# Altium PCB Spektrop2_Processor_Board_V1_draft_v4.PcbDoc (part 1 of 4) (continued)
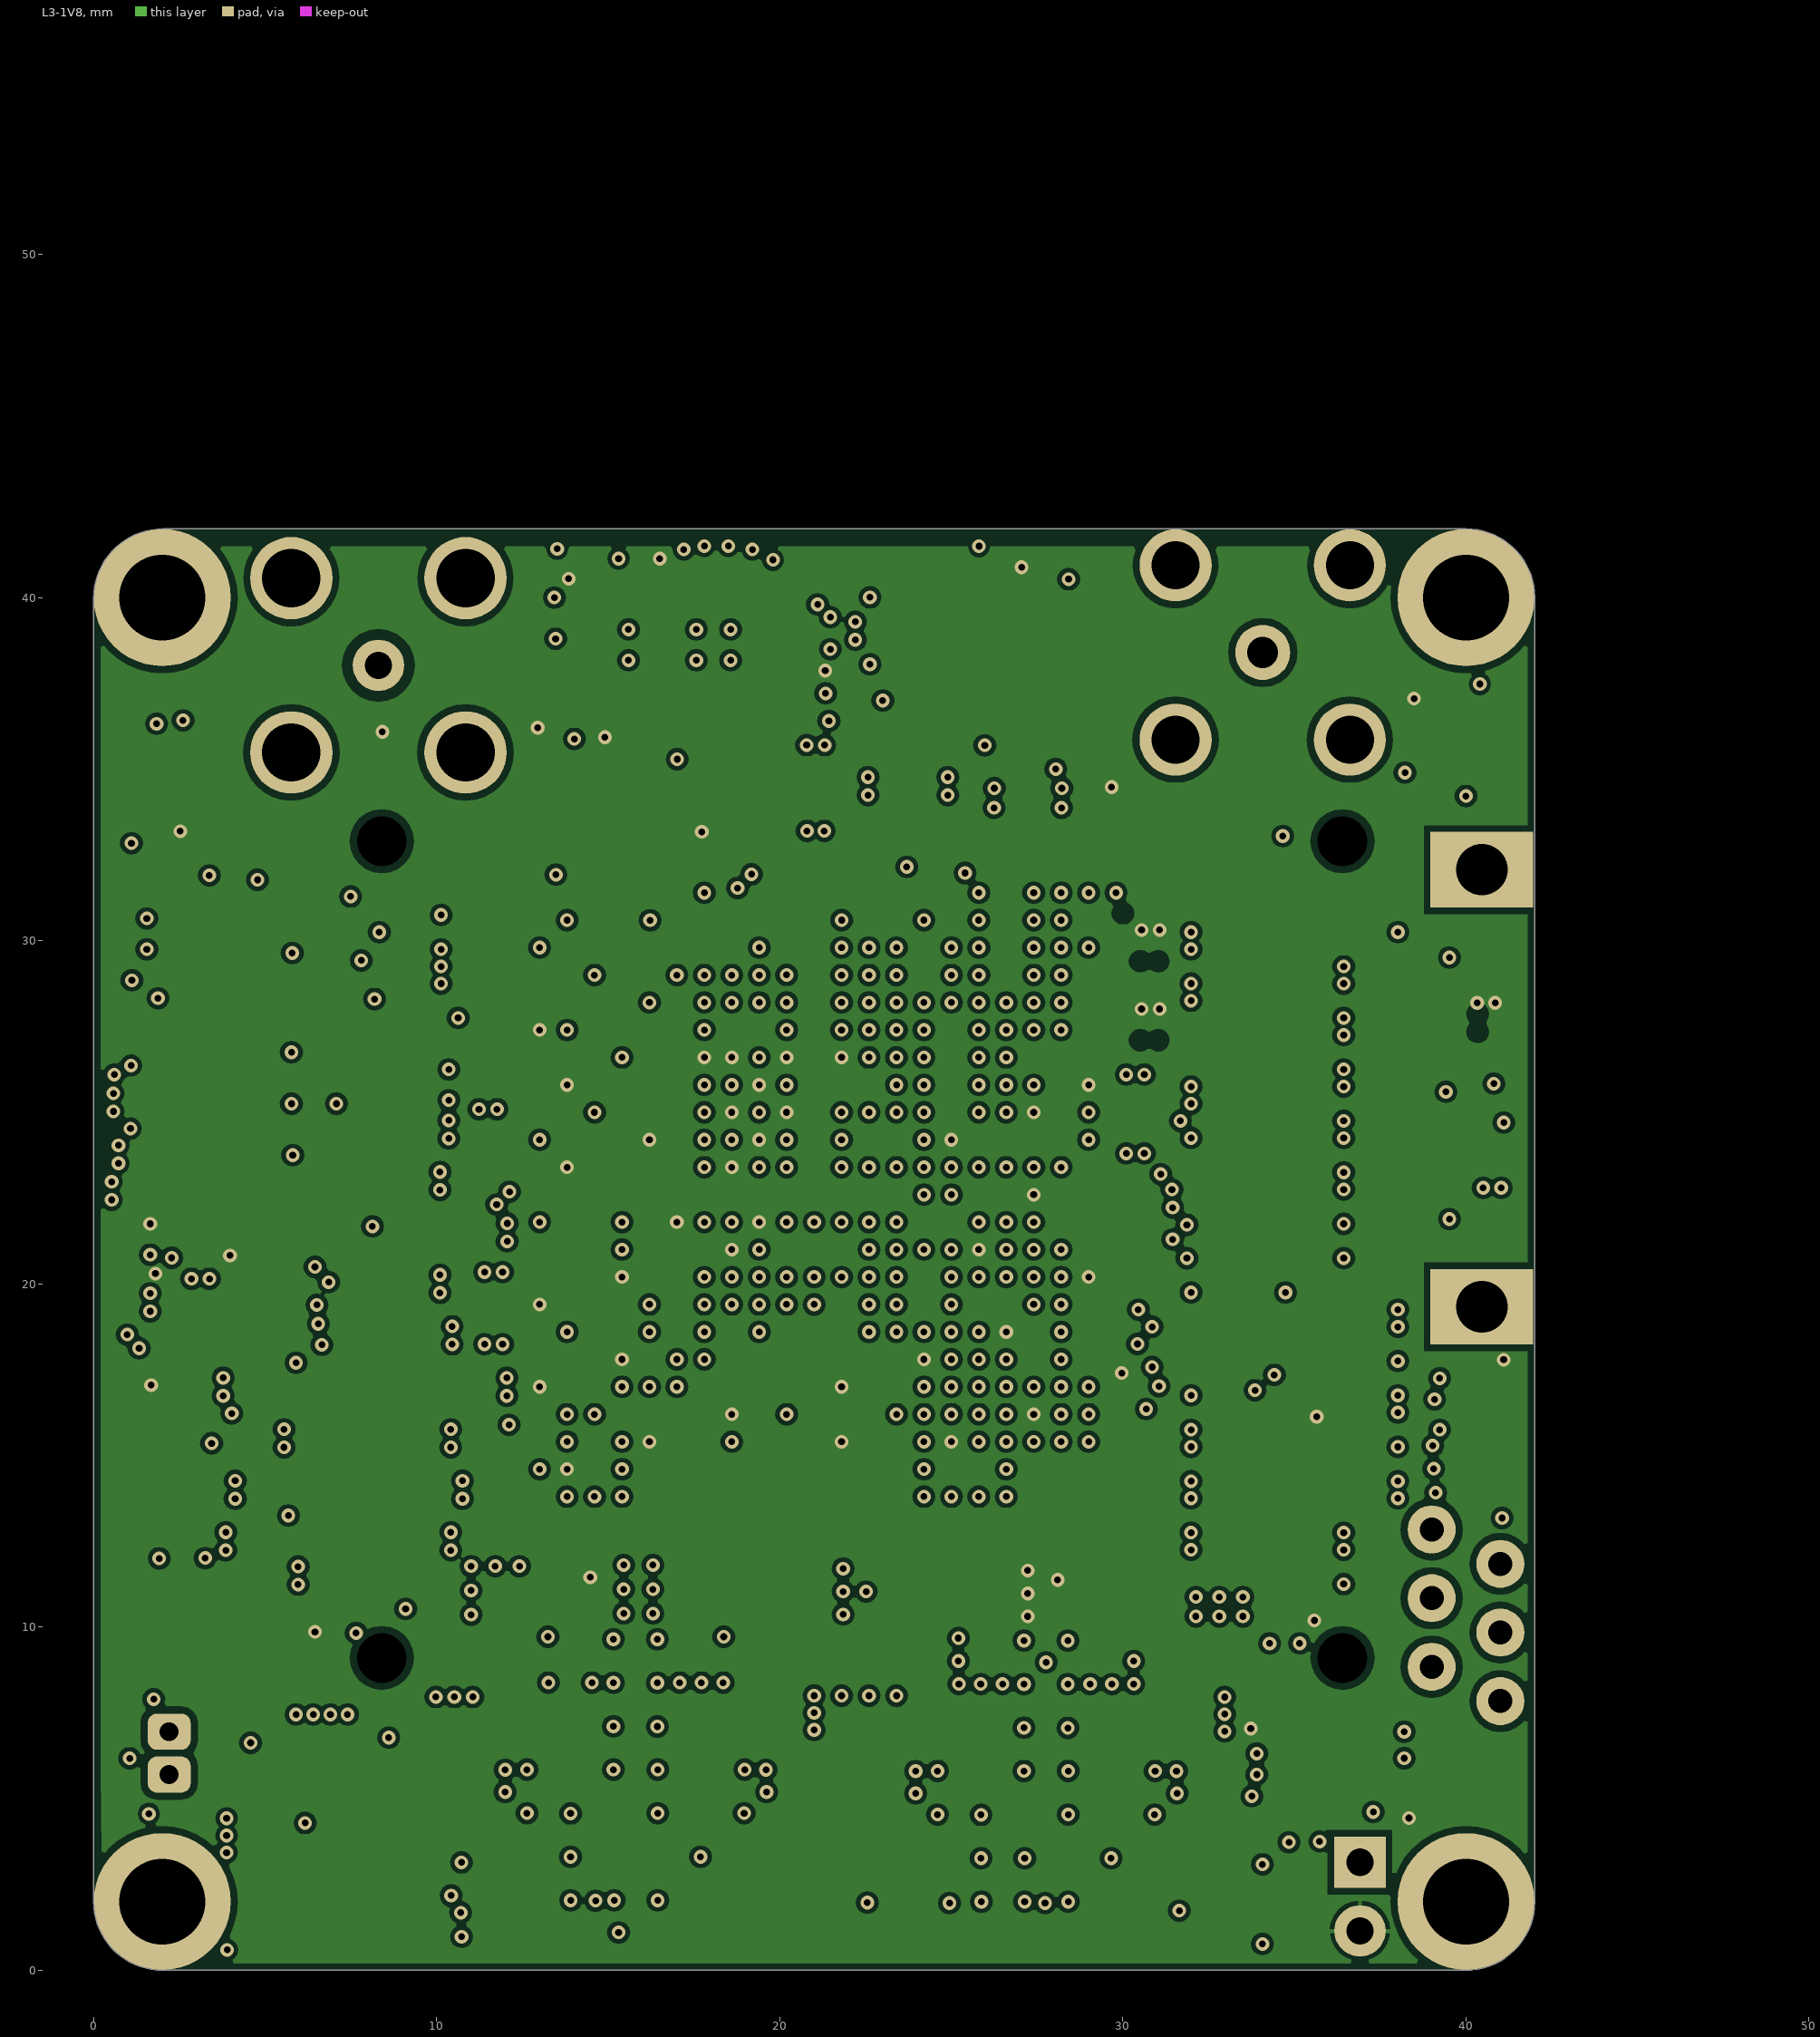
[diagram p4: L3-1V8]
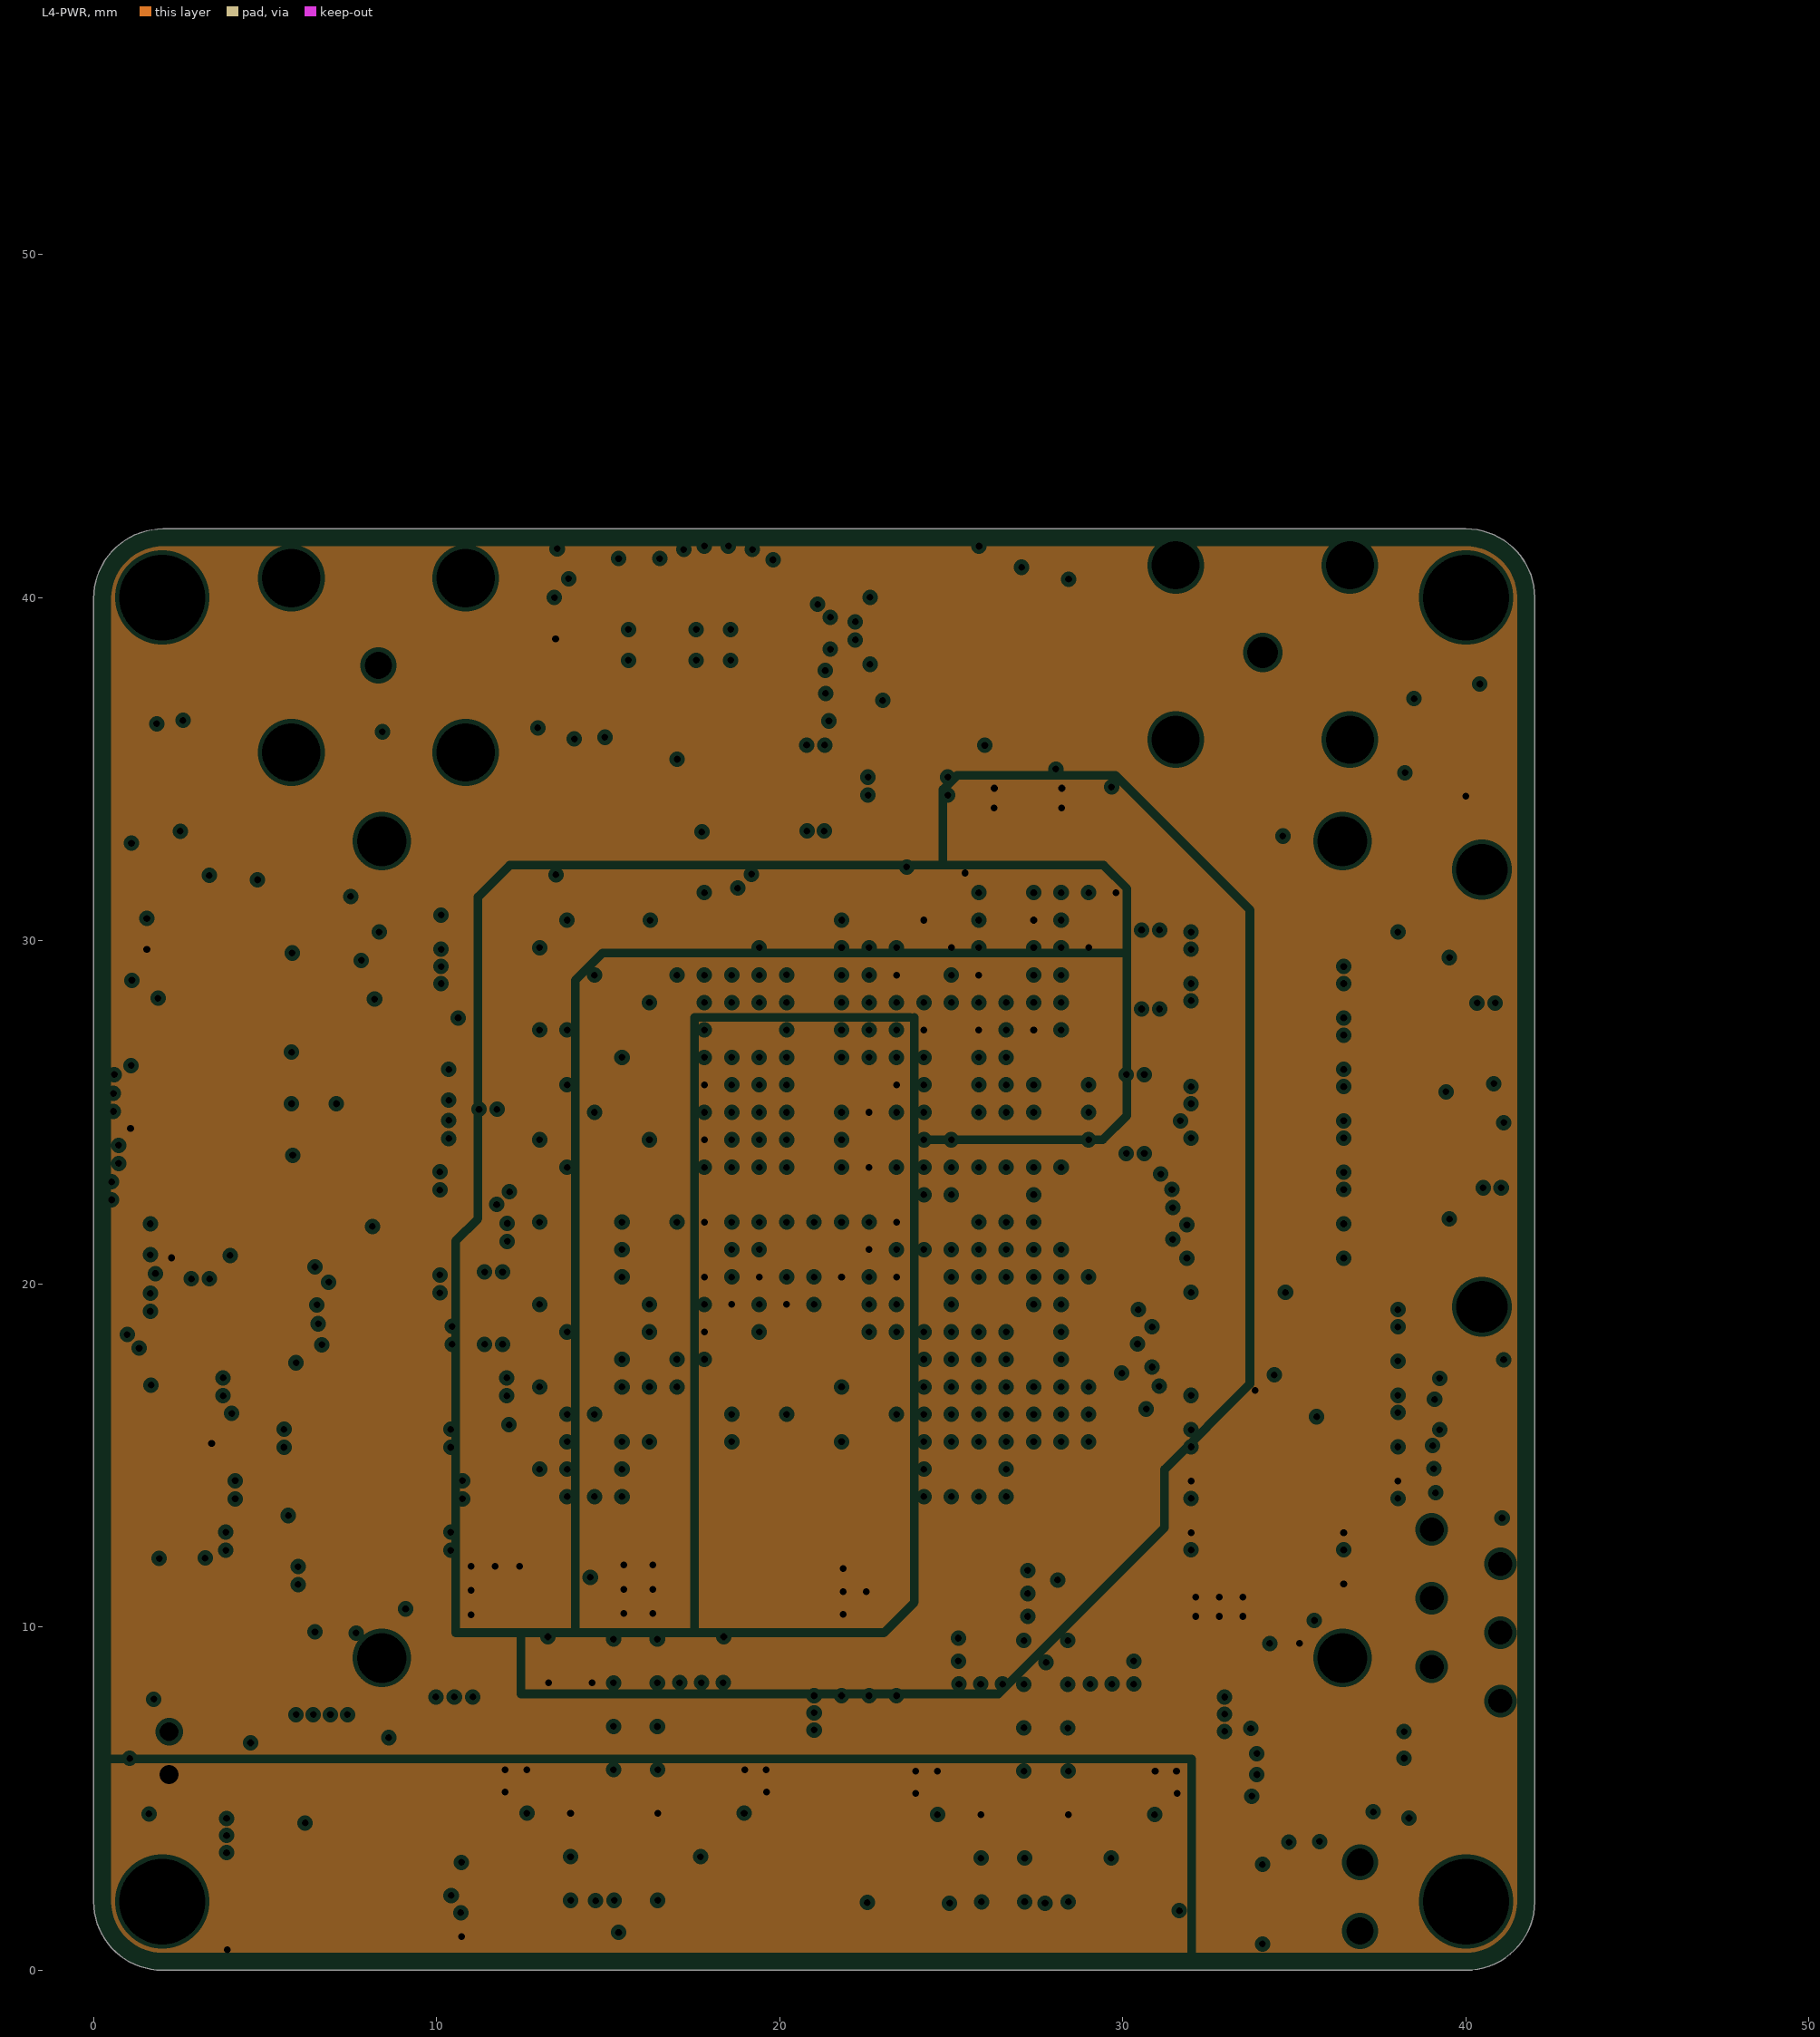
[diagram p5: L4-PWR, clearances drawn from the general rule]
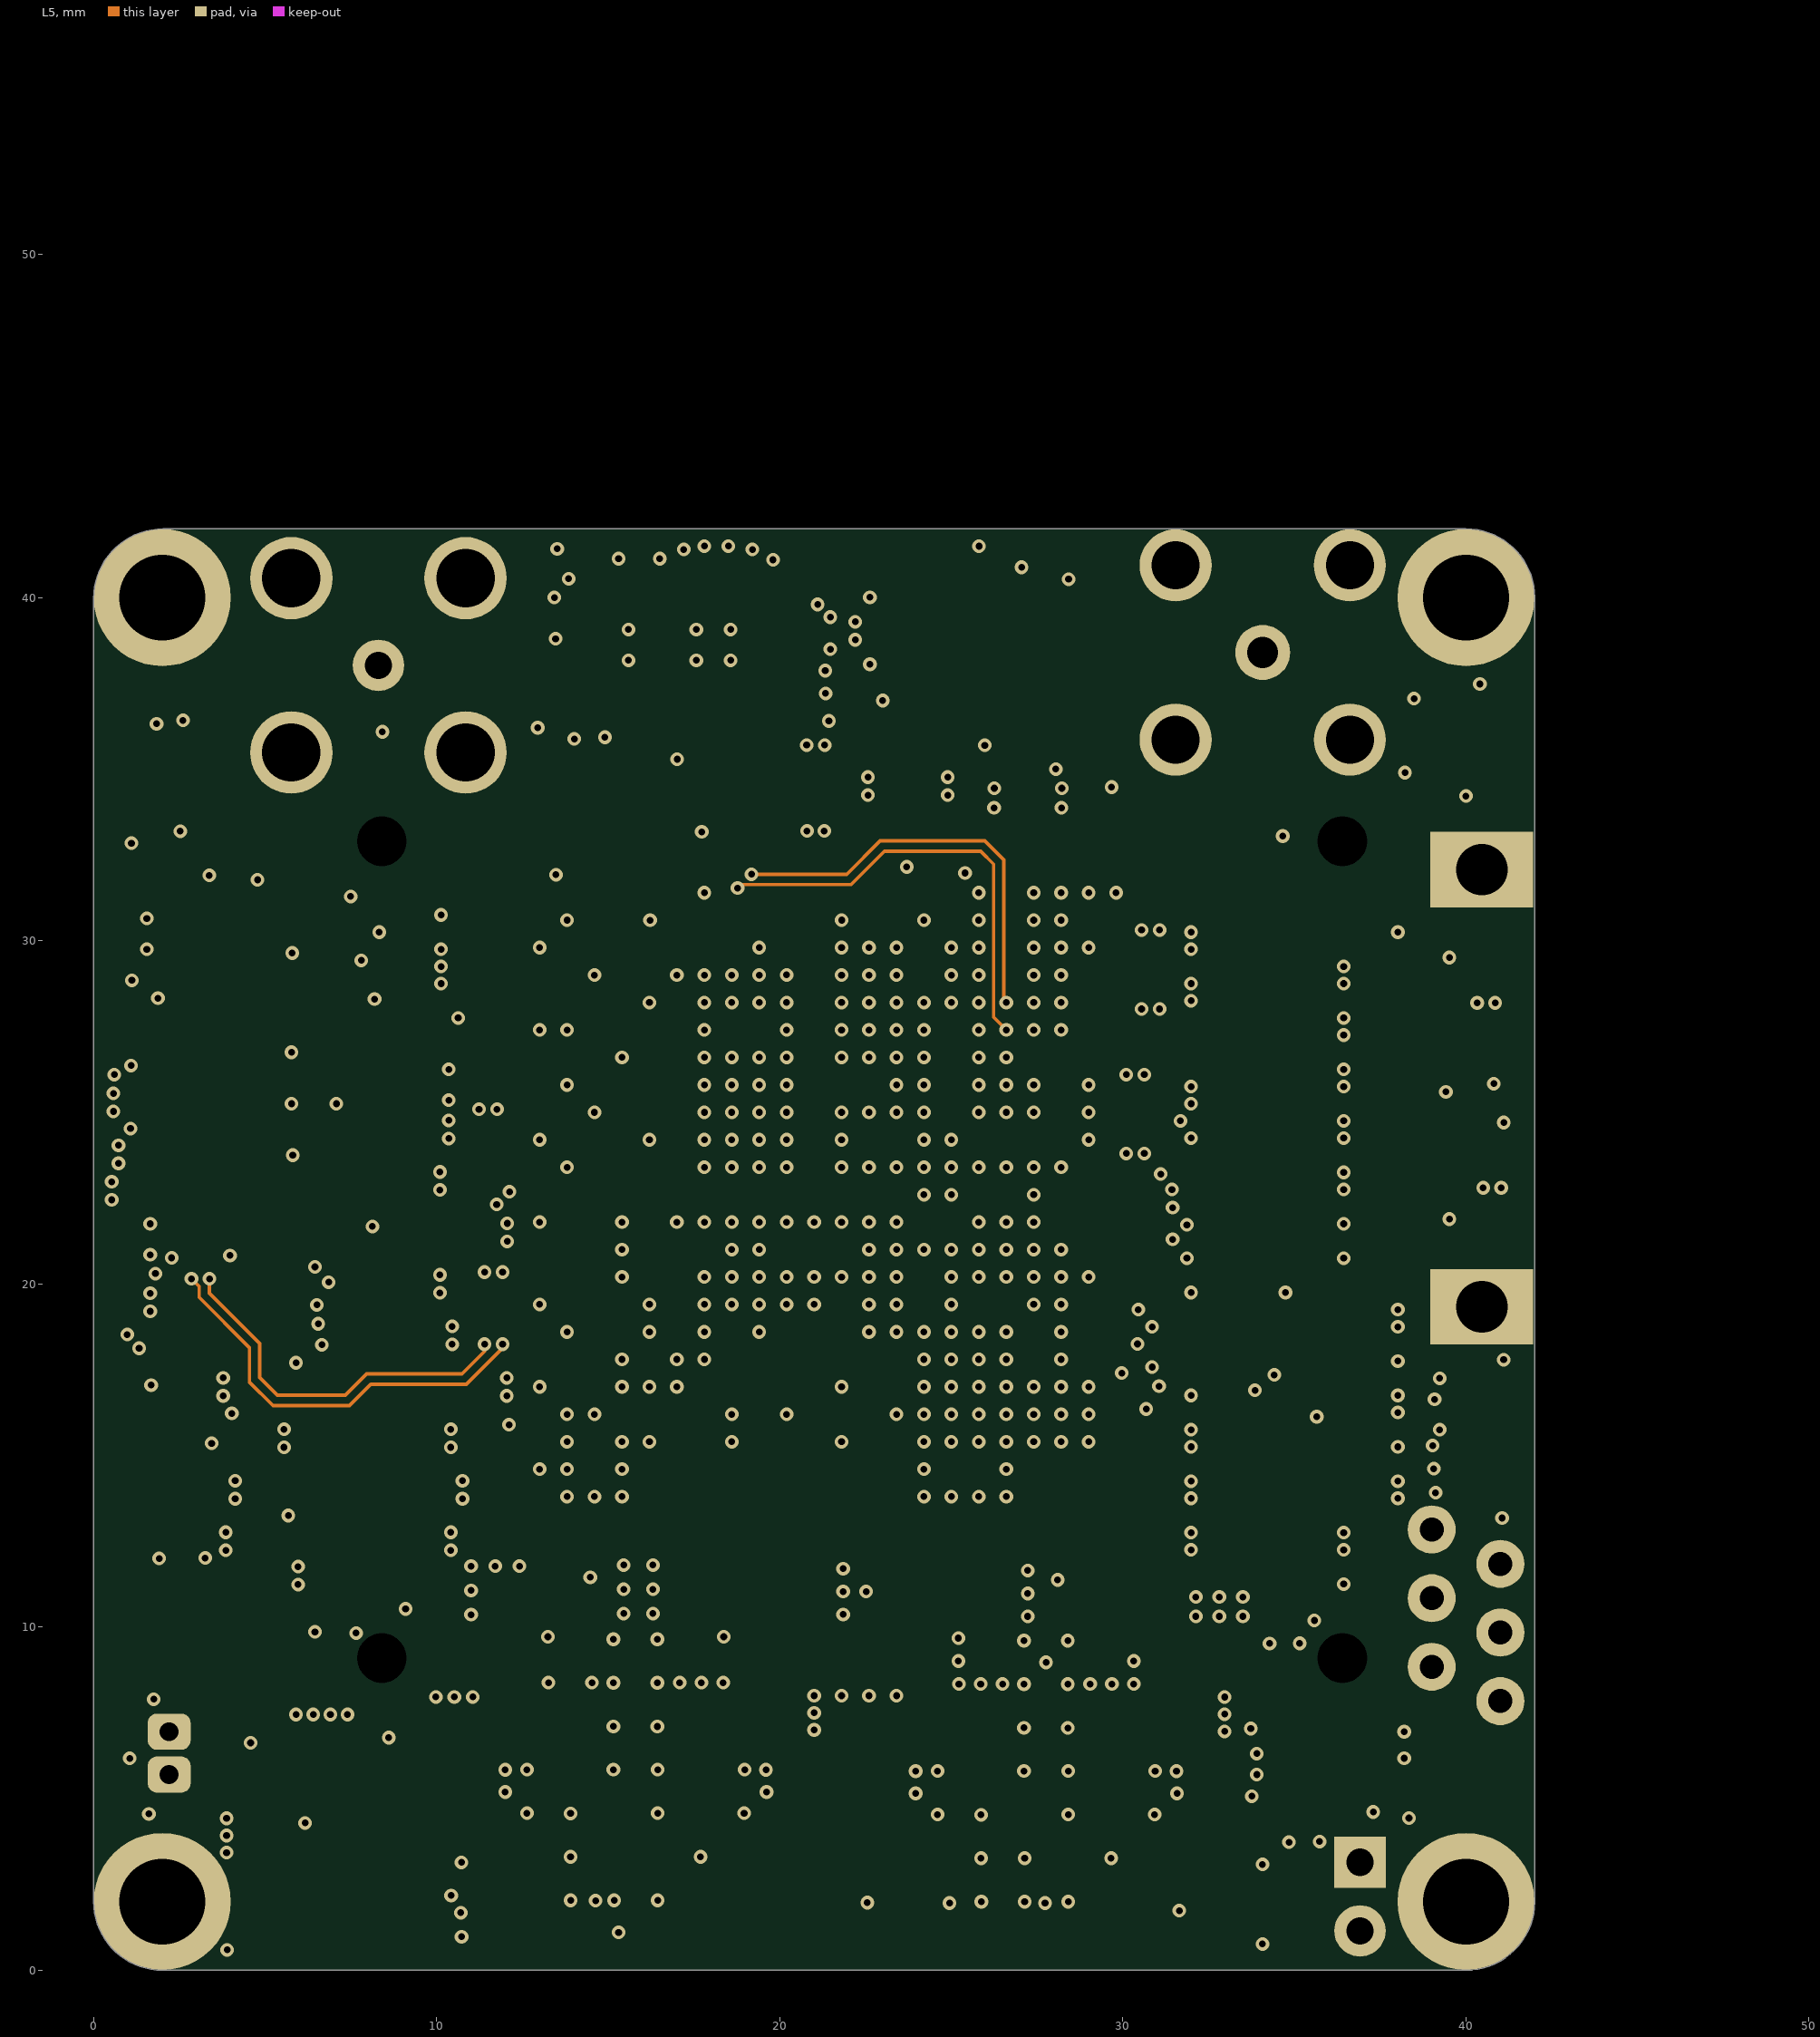
[diagram p6: L5]
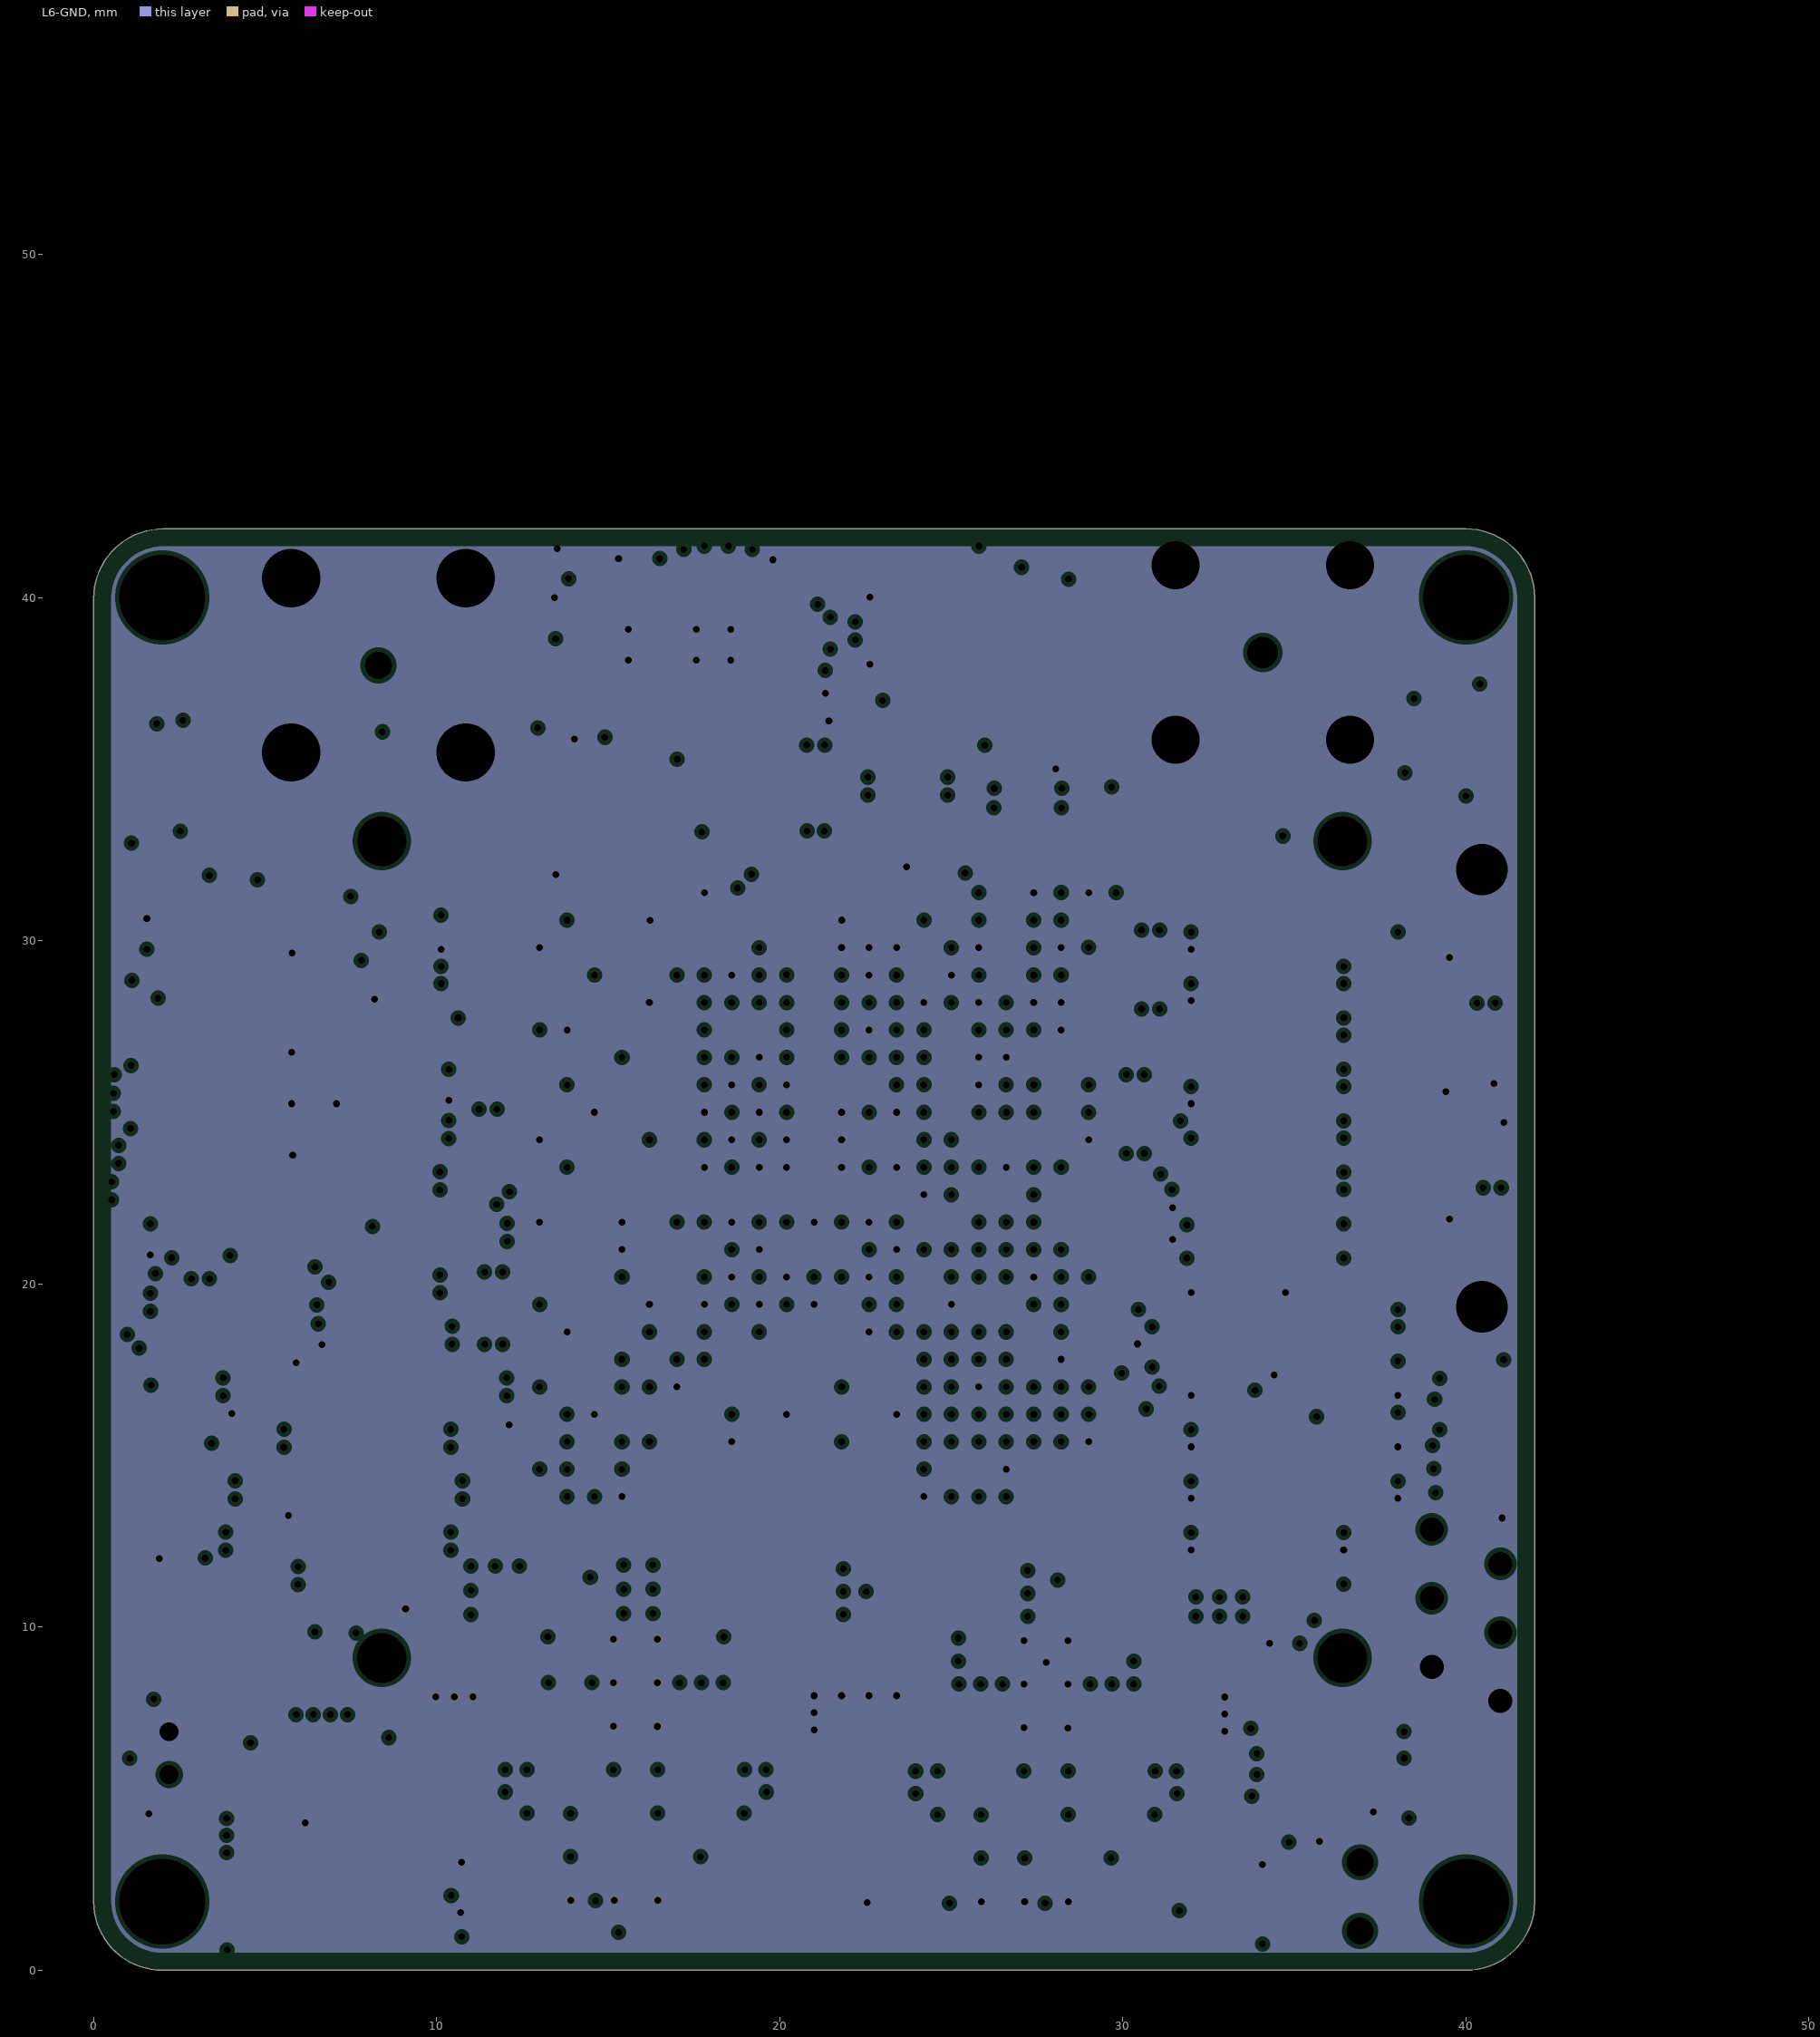
[diagram p7: L6-GND, clearances drawn from the general rule]